# Altium PCB compare for.PcbDoc
Units mil, origin at the board's own origin, x right, y up, seen from the top; angles counter-clockwise.
Board outline 6000 x 4000 mil, 4 copper layers (Top Layer, Mid-Layer 1, Mid-Layer 2, Bottom Layer); 47 components, 0 nets, 127 pads, 91 vias.
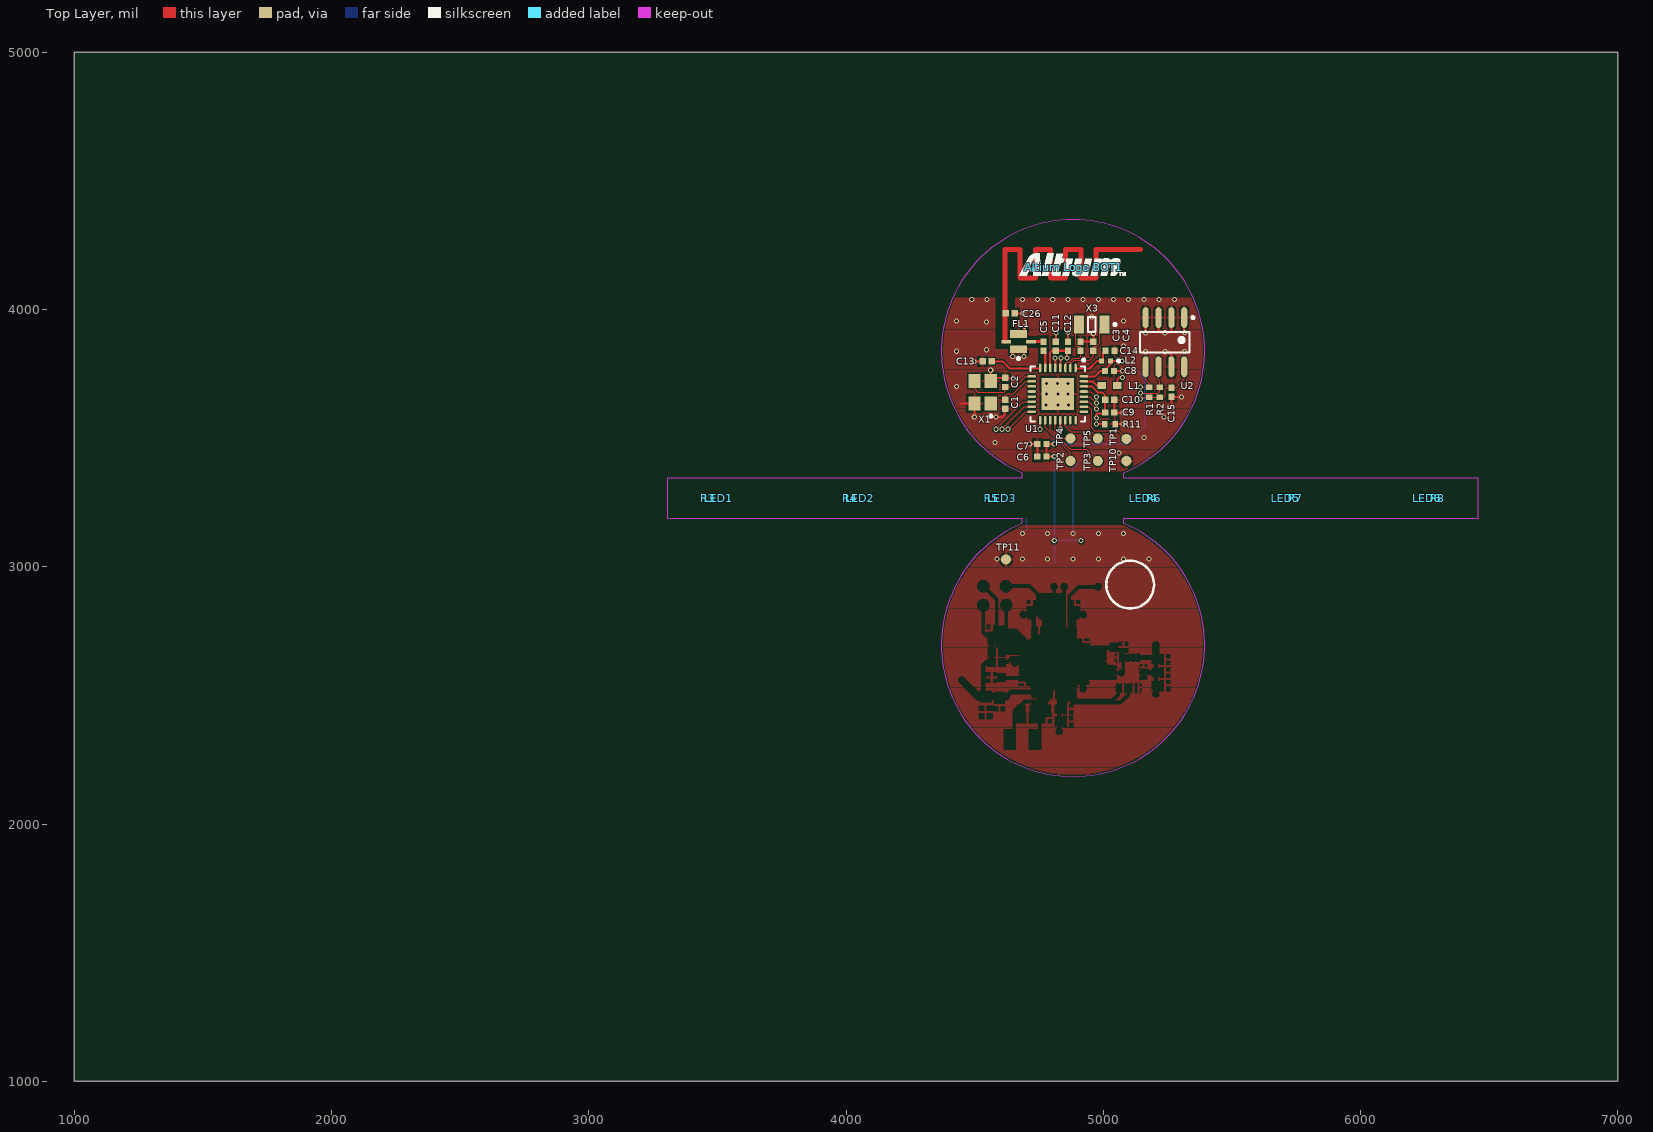
[diagram p0: Top Layer view]
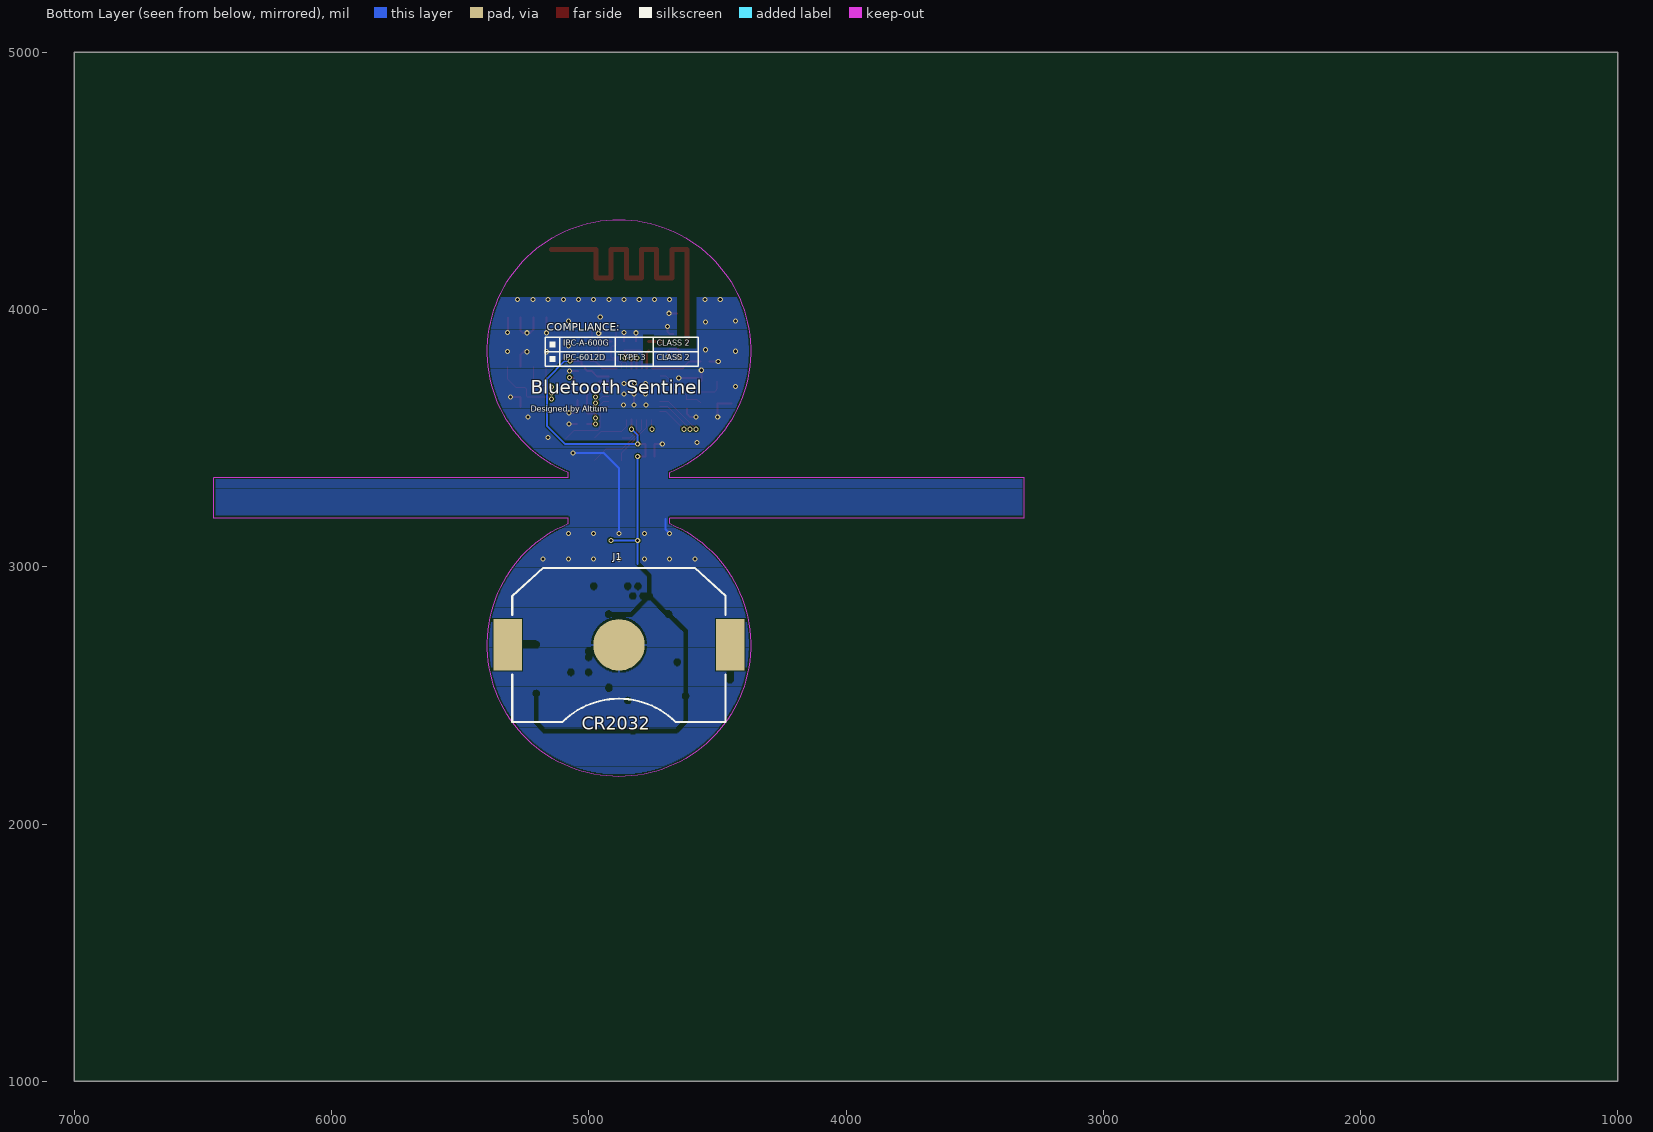
[diagram p1: Bottom Layer view, seen from below]
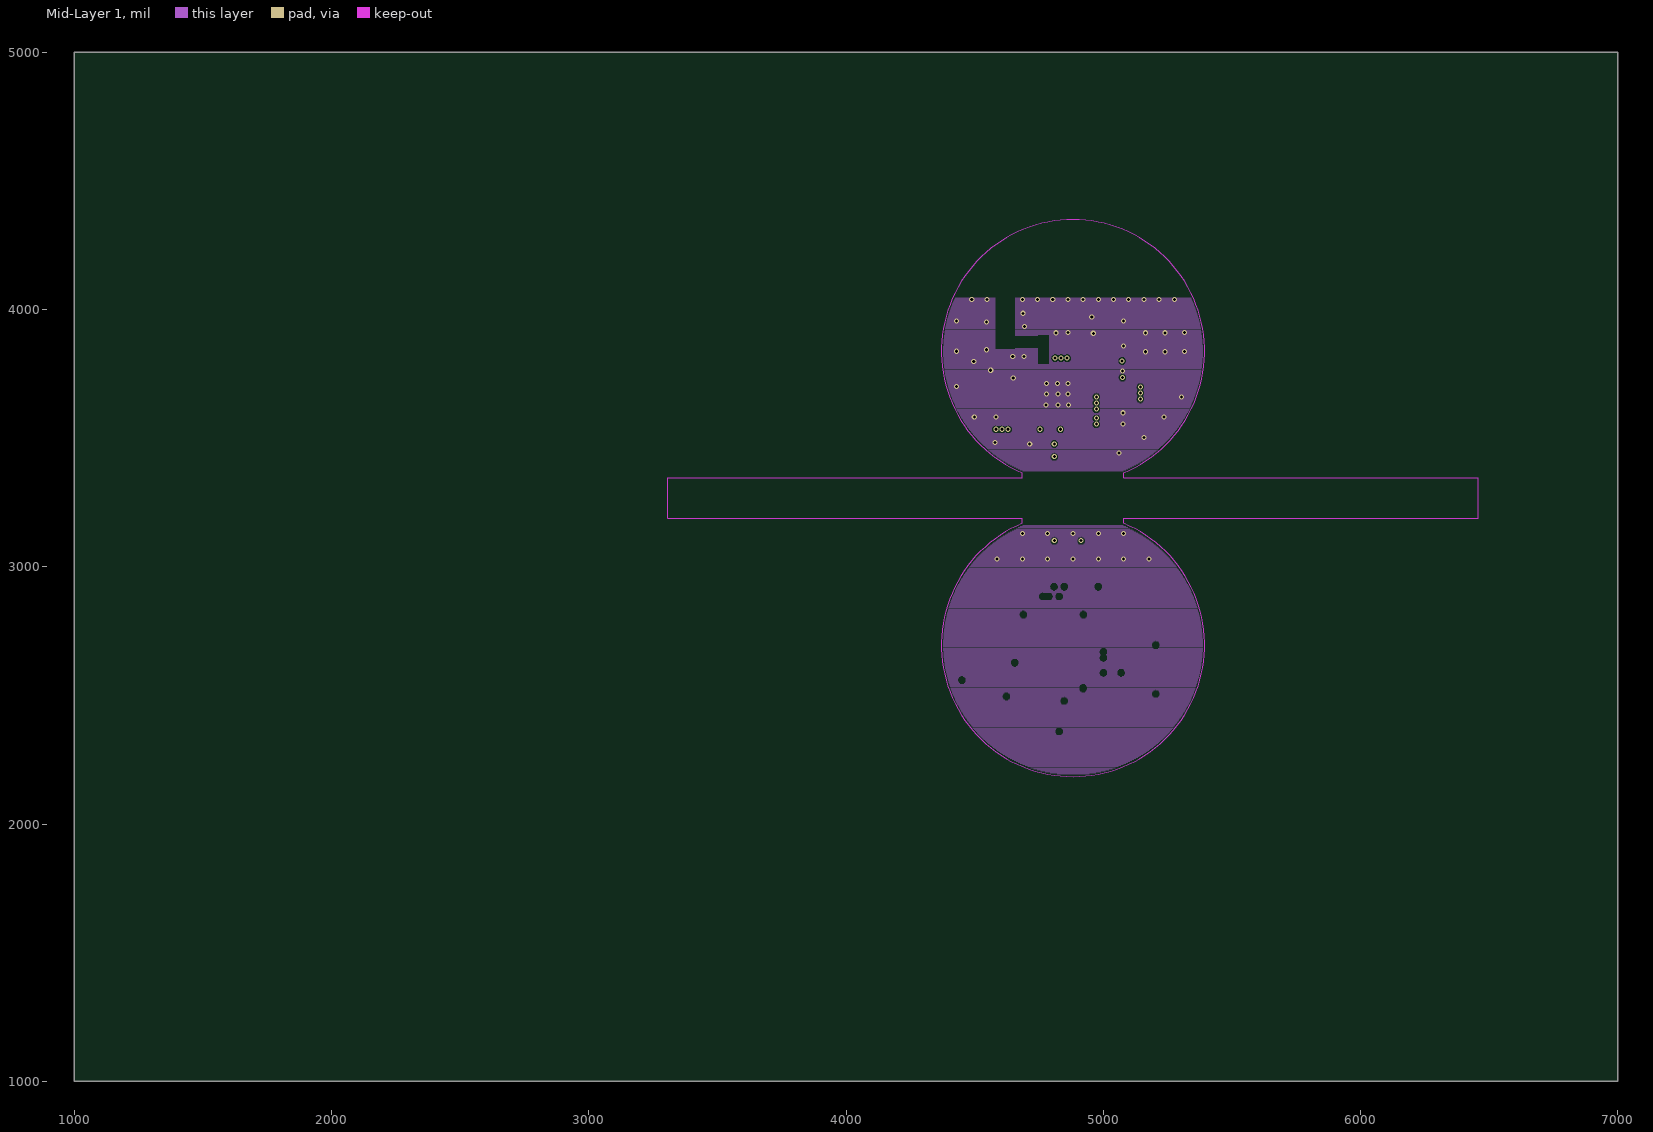
[diagram p2: Mid-Layer 1]
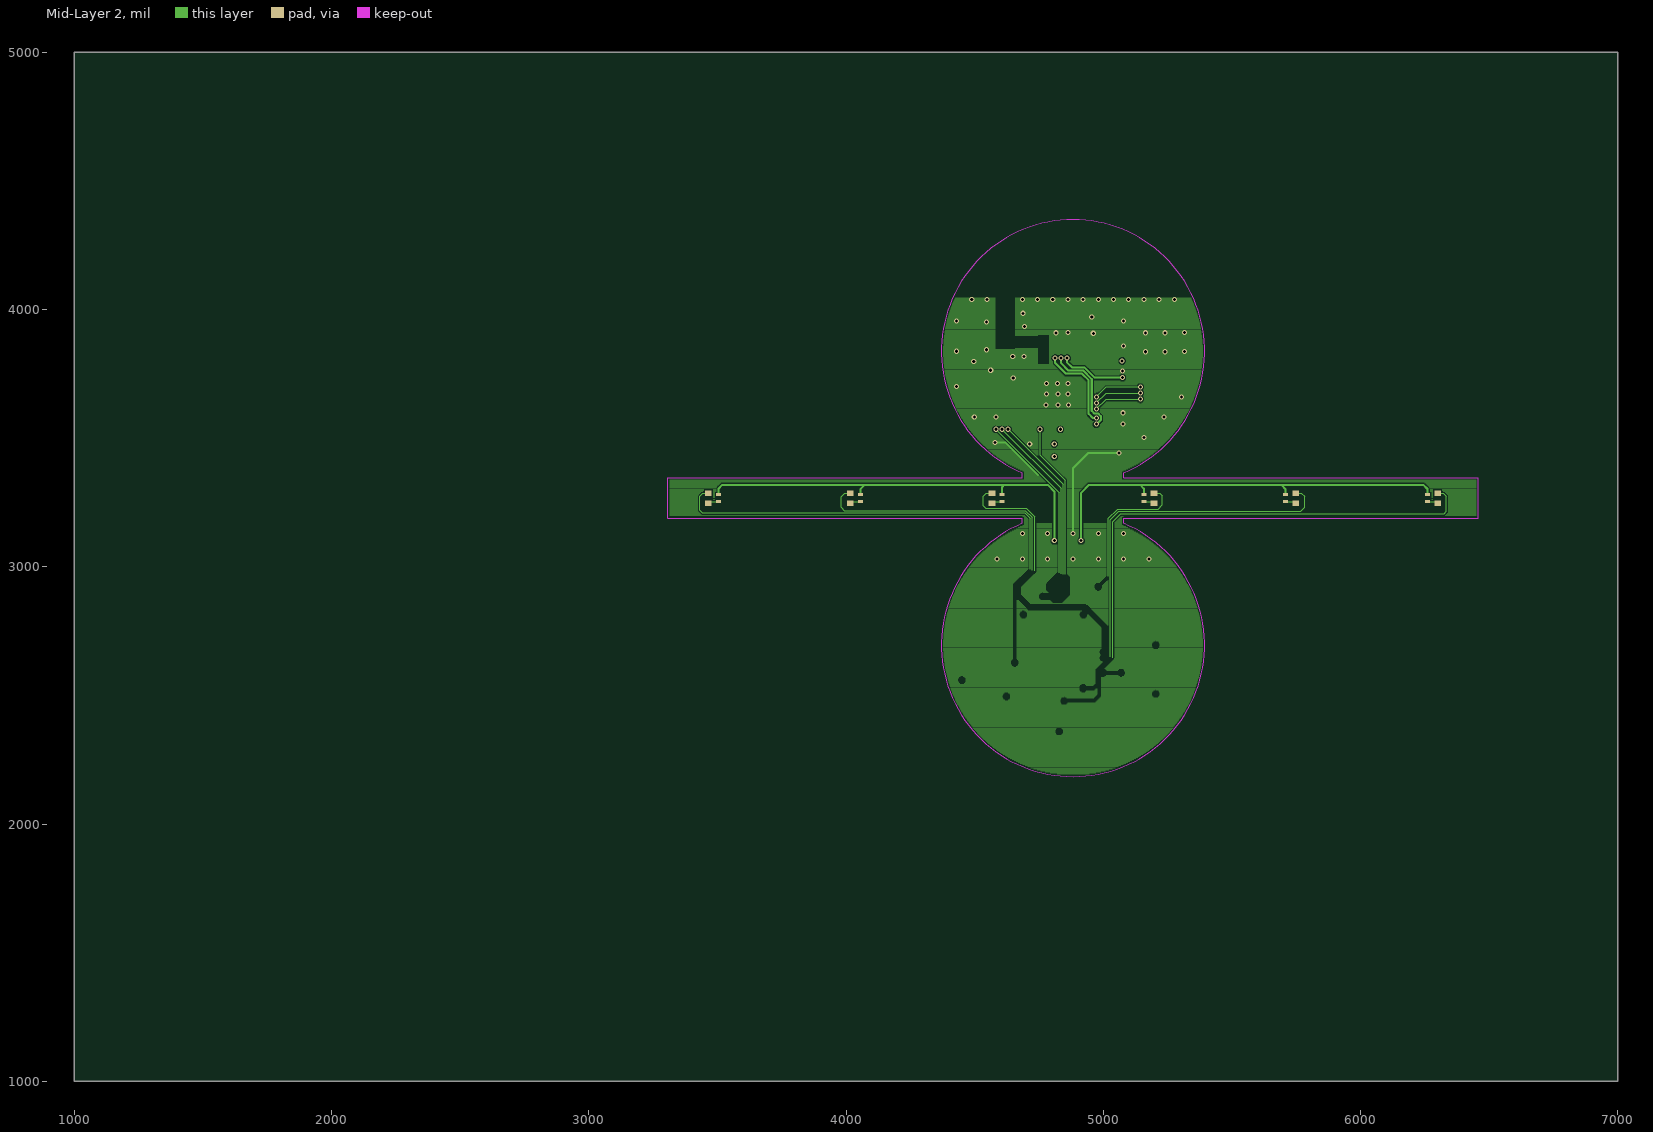
[diagram p3: Mid-Layer 2]

## Layer stack, top to bottom
Top Solder: solder mask 0.4, Solder Resist, Dk 3.5
Top Layer: signal copper 1.4
Dielectric 1: dielectric 12.6, FR-4, Dk 4.8
Mid-Layer 1: signal copper 1.4
Dielectric3: dielectric 12.6, FR-4, Dk 4.8
Mid-Layer 2: signal copper 1.4
Dielectric2: dielectric 12.6, FR-4, Dk 4.8
Bottom Layer: signal copper 1.4
Bottom Solder: solder mask 0.4, Solder Resist, Dk 3.5

## Board outline
1000,1000 7000,1000 7000,5000 1000,5000

## Design rules (kind name [scope] priority, off if disabled: settings)
Clearance [All] p1: gap=10 ignorepadtopadclearanceinfootprint=FALSE except(0: Arc-Hole Track-Hole SMDPad-Hole THPad-Hole Via-Hole Fill-Hole Poly-Hole Region-Hole Text-Hole)
PolygonConnect [All] p1: connectstyle=Relief reliefconductorwidth=10 reliefentries=4 polygonreliefangle="90 Angle" airgapwidth=10
RoutingVias [All] p1: holewidth=28 width=50 viastyle="Through Hole" minholewidth=28 minwidth=50 maxholewidth=28 maxwidth=50
SolderMaskExpansion [All] p1: expansion=4
Width [All] p1: maxlimit=10 minlimit=10 preferedwidth=10
30 further rules are at their usual default settings.

## Components (designator, comment, footprint, x,y, rotation, side; value= is the part's Value field where it differs from the comment)
"Altium Logo BOT1" "Altium(2009)" LOGO-ALTIUM-NEW 4884.49,4164.57 r0 top
C1 "CAP 20pF 10V 0402(1005)" CAPC0402(1005)60_N 4618.74,3632.09 r270 top
C2 "CAP 20pF 10V 0402(1005)" CAPC0402(1005)60_N 4618.74,3716.73 r90 top
C3 "CAP 24pF 10V 0402(1005)" CAPC0402(1005)60_N 4912.05,3857.48 r270 top
C4 "CAP 24pF 10V 0402(1005)" CAPC0402(1005)60_N 4961.26,3857.48 r270 top
C5 "CAP 22pF 16V 0402(1005)" CAPC0402(1005)60_N 4767.36,3857.48 r90 top (schematic designator C14)
C6 "CAP 2.2uF 6.3V 0402(1005)" CAPC0402(1005)60_N 4761.46,3428.35 r0 top (schematic designator C5)
C7 "CAP 100nF 6.3V 0402(1005)" CAPC0402(1005)60_N 4761.46,3477.56 r0 top (schematic designator C6)
C8 "CAP 100nF 6.3V 0402(1005)" CAPC0402(1005)60_N 5024.26,3761.03 r180 top (schematic designator C7)
C9 "CAP 470nF 6.3V 0402(1005)" CAPC0402(1005)60_N 5025.24,3599.61 r180 top (schematic designator C8)
C10 "CAP 100nF 6.3V 0402(1005)" CAPC0402(1005)60_N 5025.24,3648.82 r180 top (schematic designator C9)
C11 "CAP 2.2uF 6.3V 0402(1005)" CAPC0402(1005)60_N 4815.59,3857.48 r270 top (schematic designator C10)
C12 "CAP 470nF 6.3V 0402(1005)" CAPC0402(1005)60_N 4862.83,3857.48 r270 top (schematic designator C11)
C13 "CAP 470nF 6.3V 0402(1005)" CAPC0402(1005)60_N 4548.86,3798.43 r0 top (schematic designator C12)
C14 "CAP 33pF 10V 0402(1005)" CAPC0402(1005)60_N 5026.22,3839.76 r180 top (schematic designator C13)
C15 "CAP 1uF 6.3V 0402(1005)" CAPC0402(1005)60_N 5265.39,3678.35 r90 top (schematic designator C22)
C26 "CAP 1.5pF 10V 0402(1005)" CAPC0402(1005)60_N 4638.43,3985.43 r180 top
FL1 "LFB212G45SG8A143" MUR-LFB212G45SG8A143-4 4670.91,3875.2 r180 top
J1 "BK-912-TR" MPD-CN-DIN-3_V 4882.52,2696.06 r180 bottom
L1 "7447966" SMD-0603 5024.26,3704.92 r0 top
L2 "MMZ1005Y152CT" TDK-CHIP-2_V 5010.48,3800.4 r180 top
LED1 "LNJ247W82RA" PNSC-CHIP-2_V 3504.57,3266.93 r90 top
LED2 "LNJ247W82RA" PNSC-CHIP-2_V 4055.75,3266.93 r90 top (schematic designator LED1)
LED3 "LNJ247W82RA" PNSC-CHIP-2_V 4606.93,3266.93 r90 top (schematic designator LED1)
LED4 "LNJ247W82RA" PNSC-CHIP-2_V 5158.11,3266.93 r90 top (schematic designator LED1)
LED5 "LNJ247W82RA" PNSC-CHIP-2_V 5709.29,3266.93 r90 top (schematic designator LED1)
LED6 "LNJ247W82RA" PNSC-CHIP-2_V 6260.47,3266.93 r90 top (schematic designator LED1)
R1 "4K7 5% 0402(1005)" RESC0402(1005)_N#1 5178.78,3678.35 r270 top (schematic designator R9)
R2 "4K7 5% 0402(1005)" RESC0402(1005)_N#1 5220.12,3678.35 r270 top (schematic designator R10)
R3 "200R 5% 0402(1005)" RESC0402(1005)_N#2 3465.2,3266.93 r270 top (schematic designator R1)
R4 "200R 5% 0402(1005)" RESC0402(1005)_N#2 4016.38,3266.93 r270 top (schematic designator R1)
R5 "200R 5% 0402(1005)" RESC0402(1005)_N#2 4567.56,3266.93 r270 top (schematic designator R1)
R6 "200R 5% 0402(1005)" RESC0402(1005)_N#2 5197.48,3266.93 r270 top (schematic designator R1)
R7 "200R 5% 0402(1005)" RESC0402(1005)_N#2 5748.66,3266.93 r270 top (schematic designator R1)
R8 "200R 5% 0402(1005)" RESC0402(1005)_N#2 6299.84,3266.93 r270 top (schematic designator R1)
R11 "Jumper 0402(1005)" RESC0402(1005)_N#1 5026.22,3554.33 r0 top (schematic designator R16)
TP1 "TP-SM-C-100" TP-SM-C-100 5090.2,3497.24 r90 top (schematic designator TP5)
TP2 "TP-SM-C-100" TP-SM-C-100 4872.68,3411.61 r90 top (schematic designator TP6)
TP3 "TP-SM-C-100" TP-SM-C-100 4978.98,3411.61 r90 top (schematic designator TP7)
TP4 "TP-SM-C-100" TP-SM-C-100 4872.68,3499.21 r90 top (schematic designator TP8)
TP5 "TP-SM-C-100" TP-SM-C-100 4978.98,3499.21 r90 top (schematic designator TP9)
TP10 "TP-SM-C-100" TP-SM-C-100 5090.2,3411.61 r90 top
TP11 "TP-SM-C-100" TP-SM-C-100 4621.69,3028.74 r90 top
U1 "CSR1010A05-IQQM-R" CSR-CSR1010A05-IQQM-R-QFN32_M 4823.46,3671.46 r270 top (schematic designator U4)
U2 "24AA512-I/SN" MCHP-SOIC-SN8_N 5239.8,3873.23 r270 top (schematic designator U3)
X1 "21C00047-16.000MHz" ITTI-21C00047-16.000MHz-4_V 4531.14,3678.35 r90 top
X3 "14340272-32.768KHz" ITTI-14340272-32.768KHz-2_V 4955.35,3942.13 r180 top (schematic designator X2)

## Footprints (in the part's own frame and the unit in brackets; to place one, negate y for a bottom-side part, rotate by r counter-clockwise, add the part's x,y. Pads: shape width x height; smd on the part's side, far side on the other; paste and mask are expansions set on the pad)
CAPC0402(1005)60_N [mm] "Chip Capacitor, Body 1.0x0.5mm, Height 0.6mm, IPC Medium Density"
  rect 0.62x0.62 smd: 1(-0.45,0) 2(0.45,0)
  body extent -0.55,-0.3 0.55,0.3, height 0.6
CSR-CSR1010A05-IQQM-R-QFN32_M [mm] "QFN, 32-Leads, Body 5.1x5.1mm, Pitch 0.5mm, Thermal Pad 3.2x3.2mm, IPC Low Density"
  oval 0.85x0.25 smd: 1(-2.575,1.75) 2(-2.575,1.25) 3(-2.575,0.75) 4(-2.575,0.25) 5(-2.575,-0.25) 6(-2.575,-0.75) 7(-2.575,-1.25) 8(-2.575,-1.75) 17(2.575,-1.75) 18(2.575,-1.25) 19(2.575,-0.75) 20(2.575,-0.25) 21(2.575,0.25) 22(2.575,0.75) 23(2.575,1.25) 24(2.575,1.75)
  oval 0.25x0.85 smd: 9(-1.75,-2.575) 10(-1.25,-2.575) 11(-0.75,-2.575) 12(-0.25,-2.575) 13(0.25,-2.575) 14(0.75,-2.575) 15(1.25,-2.575) 16(1.75,-2.575) 25(1.75,2.575) 26(1.25,2.575) 27(0.75,2.575) 28(0.25,2.575) 29(-0.25,2.575) 30(-0.75,2.575) 31(-1.25,2.575) 32(-1.75,2.575)
  rect 3.2x3.2 smd: 33(0,0)
  silkscreen extent -3.47,-2.7 2.7,2.7, body extent -2.55,-2.55 2.55,2.55, height 0.6
ITTI-21C00047-16.000MHz-4_V [mm] "Hand Drawn, 4-Leads, Body 3.2x2.5 mm"
  rect 1.4x1.2 smd: 1(-1.1,-0.8) 2(1.1,-0.8) 3(1.1,0.8) 4(-1.1,0.8)
  silkscreen extent -2.47,-0.93 -2.23,-0.68, body extent -1.6,-1.25 1.6,1.25, height 0.9
ITTI-14340272-32.768KHz-2_V [mm] "Hand Drawn, 2-Leads, Body 3.2x1.5mm, Pitch 2.5mm"
  rect 1x1.8 smd: 1(-1.25,0) 2(1.25,0)
  silkscreen extent -2.43,-0.75 0.35,0.75, body extent -1.6,-0.75 1.6,0.75, height 0.9
LOGO-ALTIUM-NEW [mil]
  silkscreen extent -211,-34 202,54
MCHP-SOIC-SN8_N [mm] "SOIC, 8-Leads, Body 4.9x3.9mm, Pitch 1.27mm, IPC Medium Density"
  oval 2.05x0.6 smd: 1(-2.425,1.905) 2(-2.425,0.635) 3(-2.425,-0.635) 4(-2.425,-1.905) 5(2.425,-1.905) 6(2.425,-0.635) 7(2.425,0.635) 8(2.425,1.905)
  silkscreen extent -2.55,-2.45 1,2.88, body extent -1.95,-2.45 1.95,2.45, height 1.75
MPD-CN-DIN-3_V [mil] "CN-DIN, 3-Leads, Body 21.08x15.24mm"
  rect 109.84x200 smd: 1(-432.48,0.02) 2(432.48,0.02)
  round 200 smd: 3(0,0.02)
  silkscreen extent -415,-300 415,300, body extent -415,-394 416,394, height 161
MUR-LFB212G45SG8A143-4 [mm] "Hand Drawn, 4-Leads, Body 2x1.25mm"
  rect 1.65x0.75 smd: 1(0,0.75) 3(0,-0.75)
  rect 0.95x0.35 smd: 2(1.225,0) 4(-1.225,0)
  silkscreen extent -0.13,1.55 0.12,1.8, body extent -1,-0.63 1,0.63, height 0.95
PNSC-CHIP-2_V [mm] "CHIP, 2-Leads, Body 1x0.5mm, Pitch 0.7mm"
  rect 0.3x0.5 on Mid2: 1(0.35,0) 2(-0.35,0)
  body extent -0.5,-0.25 0.5,0.25, height 0.25
RESC0402(1005)_N#1 [mm] "Chip Resistor, Body 1.0x0.5mm, IPC Medium Density"
  rect 0.55x0.65 smd: 1(-0.5,0) 2(0.5,0)
  body extent -0.52,-0.27 0.53,0.28, height 0.4
RESC0402(1005)_N#2 [mm] "Chip Resistor, Body 1.0x0.5mm, IPC Medium Density"
  rect 0.55x0.65 on Mid2: 1(-0.5,0) 2(0.5,0)
  body extent -0.52,-0.27 0.53,0.28, height 0.4
SMD-0603 [mm] "Chip Inductor, 2-Leads, Body 1.6x0.8mm"
  rect 0.85x0.7 smd: 1(-0.775,0) 2(0.775,0)
  body extent -0.8,-0.4 0.8,0.4, height 0.79
TDK-CHIP-2_V [mm] "CHIP, 2-Leads, Body 1x0.5mm, Pitch 0.9mm"
  rect 0.5x0.5 smd: 1(-0.45,0) 2(0.45,0)
  silkscreen extent -1.38,-0.12 -1.13,0.12, body extent -0.5,-0.25 0.5,0.25, height 0.5
TP-SM-C-100 [mm] "Test Point, Surface Mounting, Circular, Pad Diameter 1mm"
  round 1 smd: 1(0,0)

## Part data
"Altium Logo BOT1": library part CMP-9999-00125-1, "Alitum Logo"
C1 C2: library part CMP-1034-00871-1, "CAP 20pF 10V ±0.25pF 0402 (1005 Metric) Thickness 0.6mm SMD"
C3 C4: library part CMP-1034-00923-1, "CAP 24pF 10V ±0.25pF 0402 (1005 Metric) Thickness 0.6mm SMD"
C5: library part CMP-1034-00899-1, "CAP 22pF 16V ±0.25pF 0402 (1005 Metric) Thickness 0.6mm SMD"
C6 C11: library part CMP-1034-02125-1, "CAP 2.2uF 6.3V ±10% 0402 (1005 Metric) Thickness 0.6mm SMD"
C7 C8 C10: library part CMP-1034-02060-1, "CAP 100nF 6.3V ±5% 0402 (1005 Metric) Thickness 0.6mm SMD"
C9 C12 C13: library part CMP-1034-02103-1, "CAP 470nF 6.3V ±10% 0402 (1005 Metric) Thickness 0.6mm SMD"
C14: library part CMP-1034-00985-1, "CAP 33pF 10V ±0.5pF 0402 (1005 Metric) Thickness 0.6mm SMD"
C15: library part CMP-1034-02113-1, "CAP 1uF 6.3V ±10% 0402 (1005 Metric) Thickness 0.6mm SMD"
C26: library part CMP-1034-00102-1, "CAP 1.5pF 10V ±0.1pF 0402 (1005 Metric) Thickness 0.6mm SMD"
FL1: library part CMP-0453-00001-1, "LFB21(0805)_SG Series Filter for Wireless LAN/Bluetooth, 2400-2500 MHz, 2 x 1.25 x 0.95 mm"
J1: library part CMP-0452-00001-2, "Coin Cell Holder, 21.08 x 15.24 mm SMD"
L1: library part CMP-0221-00043-1, "SMD-Multilayer Inductor WE-MI, L = 4.70 µH"
L2: library part CMP-0457-00001-1, "Chip Bead for Signal Line, 1500 ohm at 100 MHz, -55 to 125 degC, 1.0 x 1.0 x 0.5 mm SMD"
LED1 LED2 LED3 LED4 LED5 LED6: library part CMP-0456-00001-1, "Hight Bright Surface Mounting Chip LED (Red), 55 mW, -30 to 85 degC, 1.0 x 0.5 x 0.2 mm SMD"
R1 R2: library part CMP-1011-00090-1, "4K7 0.063W 5% 0402 (1005 Metric)  SMD"
R3 R4 R5 R6 R7 R8: library part CMP-1011-00057-1, "200R 0.063W 5% 0402 (1005 Metric)  SMD"
R11: library part CMP-1011-00001-1, "Jumper 0402 (1005 Metric)"
TP1 TP2 TP3 TP4 TP5 TP10 TP11: library part CMP-0484-00002-1, "Test Point, Surface Mount, Circular, Pad Diameter 1 mm"
U1: library part CMP-0450-00001-1, "Bluetooth Low Energy Single-mode IC, 64 KB RAM and 64 KB ROM, -30 to 85 degC, 32-pin QFN"
U2: library part CMP-0159-01018-1, "512K bits I2C™ Serial EEPROM, 1.7 to 5.5 V, 400 kHz, -40 to 85 degC, 8-pin SOIC (SN8), Tube"
X1: library part CMP-0464-00001-1, "Crystal, 16 MHz, -30 to 85 degC, 3.2 x 2.5 x 0.9 mm SMD"
X3: library part CMP-0463-00001-1, "Crystal, 32.768 KHz, -40 to 85 degC, 3.2 x 1.5 x 0.9 mm SMD"

## Via types
v1: diameter 19.68, hole 11.81, Top Layer to Bottom Layer, tented both sides, 91 vias

## Nets (pads, with @x,y where several pads share a name; then routed paths per layer and width w, separated by ;. In a path a pad name is that pad's centre, name@x,y a point inside that pad or via, vN(x,y) a via of type N, cw(c..) or ccw(c..) an arc to the next point about the centre after c; other vN are vias at no path point)
pads on no net: C1.1 C1.2 C2.1 C2.2 C3.1 C3.2 C4.1 C4.2 C5.1 C5.2 C6.1 C6.2 C7.1 C7.2 C8.1 C8.2 C9.1 C9.2 C10.1 C10.2 C11.1 C11.2 C12.1 C12.2 C13.1 C13.2 C14.1 C14.2 C15.1 C15.2 C26.1 C26.2 FL1.1 FL1.2 FL1.3 FL1.4 J1.1 J1.2 J1.3 L1.1 L1.2 L2.1 L2.2 LED1.1 LED1.2 LED2.1 LED2.2 LED3.1 LED3.2 LED4.1 LED4.2 LED5.1 LED5.2 LED6.1 LED6.2 R1.1 R1.2 R2.1 R2.2 R3.1 R3.2 R4.1 R4.2 R5.1 R5.2 R6.1 R6.2 R7.1 R7.2 R8.1 R8.2 R11.1 R11.2 TP1.1 TP2.1 TP3.1 TP4.1 TP5.1 TP10.1 TP11.1 U1.1 U1.2 U1.3 U1.4 U1.5 U1.6 U1.7 U1.8 U1.9 U1.10 U1.11 U1.12 U1.13 U1.14 U1.15 U1.16 U1.17 U1.18 U1.19 U1.20 U1.21 U1.22 U1.23 U1.24 U1.25 U1.26 U1.27 U1.28 U1.29 U1.30 U1.31 U1.32 U1.33 U2.1 U2.2 U2.3 U2.4 U2.5 U2.6 U2.7 U2.8 X1.1 X1.2 X1.3 X1.4 X3.1 X3.2
copper on no net: | length 24765.5
  Top Layer w3.94: 4499.65,3721.65 4499.65,3692.13 4512.44,3679.33 4614.8,3679.33 4618.74,3683.27 4618.74,3699.02 4657.13,3699.02 4698.46,3740.35 4724.06,3740.35 ; 4562.64,3635.04 4577.4,3649.8 4618.74,3649.8 4618.74,3664.57 4626.61,3672.44 4650.24,3672.44 4698.46,3720.67 4724.06,3720.67 ; v1(4582.32,3534.65) 4689.61,3641.93 4724.06,3641.93 ; v1(4605.94,3534.65) 4693.54,3622.24 4724.06,3622.24 ; v1(4630.55,3534.65) 4698.46,3602.56 4724.06,3602.56 ; v1(4754.57,3534.65) 4754.57,3572.05 ; 4774.25,3572.05 4774.25,3541.54 4872.68,3443.11 4872.68,3411.61 ; 4793.94,3572.05 4793.94,3534.34 4871.38,3456.89 4933.7,3456.89 4978.98,3411.61 ; 4813.62,3572.05 4813.62,3525.79 4840.2,3499.21 4872.68,3499.21 ; 4852.99,3572.05 4852.99,3546.46 4874.65,3524.8 4953.39,3524.8 4978.98,3499.21 ; 4852.99,3770.87 4852.99,3789.57 4858.9,3795.47 4867.45,3795.47 4883.2,3811.22 4906.14,3811.22 4912.05,3817.13 4912.05,3839.76 4912.05,3853.54 4908.5,3857.09 4897.4,3857.09 4893.94,3860.55 4893.94,3929.92 4906.14,3942.13 ; 4872.68,3770.87 4872.68,3789.57 4886.46,3803.35 4947.48,3803.35 4961.26,3817.13 4961.26,3839.76 4961.26,3853.54 4964.8,3857.09 4975.91,3857.09 4986.85,3868.03 4986.85,3924.41 5004.57,3942.13 ; 4922.87,3622.24 4941.95,3622.24 4954.75,3609.45 4954.75,3540.17 4965.2,3529.72 5057.72,3529.72 5090.2,3497.24 ; 4922.87,3641.93 4944.54,3641.93 v1(4973.08,3613.39) ; 4922.87,3661.61 4948.47,3661.61 v1(4973.08,3637.01) ; 4922.87,3681.3 4952.41,3681.3 v1(4973.08,3660.63) ; v1(5144.33,3651.77) 5151.22,3658.66 5178.78,3658.66 5220.12,3658.66 5236.85,3658.66 5241.77,3663.58 5241.77,3690.16 5247.68,3696.06 5265.39,3696.06 5282.13,3696.06 5314.8,3728.74 5314.8,3777.76 ; v1(5144.33,3675.39) 5212.24,3675.39 5220.12,3683.27 5220.12,3698.03 5220.12,3722.64 5214.8,3727.95 5214.8,3777.76 ; v1(5144.33,3699.02) 5178.78,3699.02 5178.78,3713.78 5164.8,3727.76 5164.8,3777.76
  Top Layer w7.87: 4445.51,3635.04 4499.65,3635.04 4498.66,3634.06 v1(4498.66,3581.89) ; v1(4496.69,3798.43) 4531.14,3798.43 ; v1(4562.64,3763.98) 4562.64,3721.65 4575.43,3734.45 4618.74,3734.45 v1(4650.24,3734.45) ; 4566.57,3798.43 4608.9,3798.43 4636.46,3770.87 4754.57,3770.87 ; v1(4582.32,3581.89) 4604.96,3581.89 4618.74,3595.67 4618.74,3614.37 ; v1(4648.27,3817.13) 4648.27,3840.75 4653.19,3845.67 4670.91,3845.67 4685.67,3845.67 4691.57,3839.76 v1(4691.57,3817.13) ; 4656.14,3985.43 v1(4688.62,3985.43) ; 4670.91,3904.72 4684.69,3904.72 4693.54,3913.58 v1(4693.54,3934.25) ; v1(4714.21,3477.56) 4743.74,3477.56 4743.74,3428.35 ; 4793.94,3770.87 4793.94,3833.86 4799.84,3839.76 4815.59,3839.76 4862.83,3839.76 4859.88,3836.81 v1(4859.88,3811.22) ; v1(4809.69,3428.35) 4779.17,3428.35 4779.17,3477.56 v1(4809.69,3477.56) ; v1(4812.64,3811.22) 4813.62,3810.24 4813.62,3770.87 ; 4815.59,3875.2 v1(4815.59,3909.65) ; v1(4823.46,3628.15) v1(4823.46,3671.46) ; v1(4833.31,3534.65) 4833.31,3572.05 ; 4833.31,3770.87 4833.31,3808.27 v1(4836.26,3811.22) ; 4862.83,3875.2 v1(4862.83,3910.63) ; 4892.36,3770.87 4946.5,3770.87 4976.03,3800.4 4992.76,3800.4 4999.65,3807.28 4999.65,3830.91 5008.5,3839.76 ; 4912.05,3875.2 4961.26,3875.2 v1(4961.26,3907.68) ; 4922.87,3700.98 4955.36,3700.98 4978,3678.35 4995.72,3678.35 5007.53,3666.54 5007.53,3648.82 5007.53,3599.61 5003.59,3595.67 4977.01,3595.67 4972.09,3590.75 v1@4972.09,3578.94 ; 4922.87,3720.67 4958.32,3720.67 4974.06,3704.92 4993.75,3704.92 ; 4922.87,3740.35 4968.15,3740.35 4988.82,3761.03 5006.54,3761.03 5014.41,3768.89 5014.41,3773.82 5028.19,3787.6 5028.19,3800.4 v1(5073.46,3800.39) ; v1(4973.07,3554.33) 5006.54,3554.33 ; 5041.98,3761.02 v1(5074.45,3761.02) ; 5042.96,3648.82 5042.96,3599.61 5043.95,3598.62 v1(5076.42,3598.62) ; 5045.91,3554.33 v1(5076.42,3554.33) ; 5054.77,3704.92 5054.77,3729.54 5061.65,3736.42 v1(5074.45,3736.42) ; 5164.8,3968.7 5165,3968.5 v1(5165,3909.65) ; 5214.8,3968.7 5214.8,3921.85 5227.01,3909.65 v1(5240.79,3909.65) 5257.32,3909.65 5264.8,3917.13 5264.8,3968.7 ; v1(5239.8,3835.83) 5253.58,3835.83 5264.8,3824.61 5264.8,3777.76 ; 5265.39,3621.26 5265.39,3660.63 v1(5303.78,3660.63) ; 5314.8,3968.7 5314.8,3911.42 v1(5315.59,3910.63)
  Top Layer w9.84: 4767.36,3839.76 4774.25,3832.87 4774.25,3770.87
  Top Layer w11.81: 4719.13,3875.2 4767.36,3875.2
  Top Layer w19.68: 4617.76,3875.2 4617.76,3967.72 4617.76,3998.23 4617.76,4233.46 4676.81,4233.46 4676.81,4123.23 4735.87,4123.23 4735.87,4233.46 4794.92,4233.46 4794.92,4123.23 4853.98,4123.23 4853.98,4233.46 4913.03,4233.46 4913.03,4123.23 4972.09,4123.23 4972.09,4233.46 5145.31,4233.46
  Mid-Layer 2 w3.94: 3465.2,3247.24 3471.1,3253.15 3504.57,3253.15 ; 3465.2,3286.61 3443.54,3286.61 3431.73,3274.8 3431.73,3219.68 3440.59,3210.83 4694.53,3210.83 4716.18,3189.17 4716.18,2990.35 ; 4016.38,3246.26 4023.27,3253.15 4055.75,3253.15 ; 4016.38,3286.61 3994.72,3286.61 3980.94,3272.83 3980.94,3230.51 3992.76,3218.7 4697.79,3218.7 4724.06,3192.43 4724.06,2987.09 ; 4567.56,3247.24 4573.46,3253.15 4606.93,3253.15 ; 4567.56,3286.61 4545.91,3286.61 4534.09,3274.8 4534.09,3236.42 4543.94,3226.57 4701.42,3226.57 4732.91,3195.08 4732.91,2984.82 ; v1(4582.32,3534.65) 4828.39,3288.58 4828.39,2976.52 ; v1(4605.94,3534.65) 4836.26,3304.33 4836.26,2973.26 ; v1(4630.55,3534.65) 4844.13,3321.06 4844.13,2969.99 ; v1(4754.57,3534.65) 4754.57,3433.27 4852.01,3335.83 4852.01,2970.67 ; v1(4973.08,3613.39) 5011.46,3651.77 v1(5144.33,3651.77) ; v1(4973.08,3637.01) 5011.46,3675.39 v1(5144.33,3675.39) ; v1(4973.08,3660.63) 5011.46,3699.02 v1(5144.33,3699.02) ; 5020.31,2962.8 5020.31,3188.19 5055.75,3223.62 5213.23,3223.62 5229.96,3240.35 5229.96,3275.79 5219.13,3286.61 5197.48,3286.61 ; 5028.19,2649.75 5028.19,3183.27 5060.67,3215.75 5768.35,3215.75 5783.11,3230.51 5783.11,3273.82 5770.32,3286.61 5748.66,3286.61 ; 5036.06,2646.48 5036.06,3175.39 5067.56,3206.89 6325.43,3206.89 6334.29,3215.75 6334.29,3273.82 6321.5,3286.61 6299.84,3286.61 ; 5158.11,3253.15 5191.57,3253.15 5197.48,3247.24 ; 5709.29,3253.15 5742.76,3253.15 5748.66,3247.24 ; 6260.47,3253.15 6293.94,3253.15 6299.84,3247.24
  Mid-Layer 2 w7.87: 3504.57,3280.71 3504.57,3304.33 3518.35,3318.11 4544.92,3318.11 4772.28,3318.11 4784.09,3318.11 4809.69,3292.52 v1(4809.69,3101.57) ; 4055.75,3280.71 4055.75,3301.38 4072.48,3318.11 ; v1(4579.37,3483.46) 4619.58,3483.46 4745.64,3357.41 ; 4606.93,3280.71 4606.93,3310.24 4614.8,3318.11 ; v1(4812.64,3811.22) 4812.64,3793.5 4854.96,3751.18 4916.97,3751.18 4943.54,3724.61 4943.54,3594.68 4960.28,3577.95 v1(4973.07,3577.95) ; v1(4836.26,3811.22) 4836.26,3791.54 4864.8,3762.99 4921.86,3762.99 4955.36,3729.49 4955.36,3606.05 4965.74,3595.67 4980.41,3595.67 4990.79,3585.29 4990.79,3570.61 4974.5,3554.33 v1(4973.07,3554.33) ; v1(4859.88,3811.22) 4859.88,3793.5 4878.58,3774.8 4926.75,3774.8 4965.14,3736.42 v1(5074.45,3736.42) ; v1(4882.52,3129.13) 4882.52,3383.07 4941.57,3442.13 v1(5060.67,3442.13) ; v1(4914.02,3101.57) 4914.02,3287.6 4944.53,3318.11 6244.72,3318.11 6260.47,3302.36 6260.47,3280.71 ; 5143.35,3318.11 5158.11,3303.35 5158.11,3280.71 ; 5691.57,3318.11 5709.29,3300.39 5709.29,3280.71
  Bottom Layer w7.87: v1(4685.67,3129.13) 4701.42,3144.88 4701.42,3186.22 ; 4809.69,3011.02 4809.69,3153.74 ; v1(4809.69,3428.35) 4809.69,3153.74 ; v1(4833.31,3534.65) 4809.69,3511.02 v1(4809.69,3477.56) 5093.15,3477.56 5162.05,3546.46 5162.05,3731.5 5093.15,3800.39 v1(5073.46,3800.39) ; v1(4882.52,3129.13) 4882.52,3383.07 4941.57,3442.13 v1(5060.67,3442.13) ; v1(4914.02,3101.57) v1(4809.69,3101.57) 4809.69,3153.74
  other v1: 4587.24,3030.71 4685.67,3030.71 4784.09,3030.71 4882.52,3030.71 4980.94,3030.71 5079.37,3030.71 5177.8,3030.71 4784.09,3129.13 4980.94,3129.13 5079.37,3129.13 5158.11,3503.15 5236.85,3581.89 4778.19,3628.15 4864.8,3628.15 4779.17,3671.46 4863.82,3671.46 4429.76,3700 4822.48,3711.81 4862.83,3711.81 4779.17,3712.8 5165,3835.83 5315.59,3836.81 4429.76,3837.8 4546.89,3843.7 5079.37,3857.48 4545.91,3951.97 4429.76,3955.91 5079.37,3955.91 4955.35,3971.65 4488.82,4038.58 4547.87,4038.58 4685.67,4038.58 4744.72,4038.58 4803.78,4038.58 4862.83,4038.58 4921.89,4038.58 4980.94,4038.58 5040,4038.58 5099.06,4038.58 5158.11,4038.58 5217.17,4038.58 5276.22,4038.58

## Polygon pours and split planes (outlines as drawn)
no net on Top Layer "GND" (hatched Horizontal grid 3.94 track 3.94, remove dead copper, pour order 0): 4685.67,3168.5 ccw(c4882.52,2696.06) 5079.37,3168.5
no net on Top Layer "GND" (hatched Horizontal grid 3.94 track 3.94, remove dead copper, pour order 2): 4685.67,3365.35 cw(c4882.52,3837.8) 4416.05,4048.4 5348.99,4048.4 cw(c4882.52,3837.8) 5079.37,3365.35
no net on Mid-Layer 1 "GND" (hatched Horizontal grid 3.94 track 3.94, remove dead copper, pour order 4): 4685.67,3168.5 ccw(c4882.52,2696.06) 5079.37,3168.5
no net on Mid-Layer 1 "GND" (hatched Horizontal grid 3.94 track 3.94, remove dead copper, pour order 6): 4685.67,3365.35 cw(c4882.52,3837.8) 4416.05,4048.4 5348.99,4048.4 cw(c4882.52,3837.8) 5079.37,3365.35
no net on Mid-Layer 2 "GND" (hatched Horizontal grid 3.94 track 3.94, remove dead copper, pour order 8): 4685.67,3168.5 ccw(c4882.52,2696.06) 5079.37,3168.5
no net on Mid-Layer 2 "GND" (hatched Horizontal grid 3.94 track 3.94, remove dead copper, pour order 12): 3307.72,3345.67 4685.67,3345.67 4685.67,3365.35 5079.37,3365.35 5079.37,3345.67 6457.32,3345.67 6457.32,3188.19 5079.37,3188.19 5079.37,3168.5 4685.67,3168.5 4685.67,3168.51 4685.67,3188.19 3307.72,3188.19 3307.72,3345.67
no net on Mid-Layer 2 "GND" (hatched Horizontal grid 3.94 track 3.94, remove dead copper, pour order 10): 4685.67,3365.35 cw(c4882.52,3837.8) 4416.05,4048.4 5348.99,4048.4 cw(c4882.52,3837.8) 5079.37,3365.35
no net on Bottom Layer "GND" (hatched Horizontal grid 3.94 track 3.94, remove dead copper, pour order 14): 4685.67,3168.5 ccw(c4882.52,2696.06) 5079.37,3168.5
no net on Bottom Layer "GND" (hatched Horizontal grid 3.94 track 3.94, remove dead copper, pour order 18): 3307.72,3345.67 4685.67,3345.67 4685.67,3365.35 5079.37,3365.35 5079.37,3345.67 6457.32,3345.67 6457.32,3188.19 5079.37,3188.19 5079.37,3168.5 4685.67,3168.5 4685.67,3168.51 4685.67,3188.19 3307.72,3188.19 3307.72,3345.67
no net on Bottom Layer "GND" (hatched Horizontal grid 3.94 track 3.94, remove dead copper, pour order 16): 4685.67,3365.35 cw(c4882.52,3837.8) 4416.05,4048.4 5348.99,4048.4 cw(c4882.52,3837.8) 5079.37,3365.35

## Keep-outs
Keep-Out Layer:
  lines w3.94: 3307.72,3188.19 3307.72,3345.67 4685.67,3345.67 4685.67,3365.35 cw(c4882.52,3837.8) 5079.37,3365.35 5079.37,3345.67 6457.32,3345.67 6457.32,3188.19 5079.37,3188.19 5079.37,3168.5 cw(c4882.52,2696.06) 4685.67,3168.5 4685.67,3188.19 3307.72,3188.19

## Other copper
Top Layer:
  pour cut-out: 4875.63,3923.43 4875.63,3859.45 4802.8,3859.45 4802.8,3923.43
Multi-Layer:
  pour cut-out: 4579.37,4050.39 4658.11,4050.39 4658.11,3845.67 4579.37,3845.67
  pour cut-out: 4638.43,3852.56 4638.43,3896.85 4790,3896.85 4790,3852.56
  pour cut-out: 4790,3787.6 4744.72,3787.6 4744.72,3900.79 4790,3900.79

## Silkscreen, mask and mechanical layers (free items; w line width, h text height)
Top Overlay:
  circle w10: c5104.79,2930.65 r92.78
Bottom Overlay:
  region: 5152.8,3875.46 5129.8,3875.46 5129.8,3852.46 5152.8,3852.46
  region: 5152.8,3818.46 5129.8,3818.46 5129.8,3795.46 5152.8,3795.46
  lines w5: 4574.8,3836.46 5168.8,3836.46 ; 4574.8,3892.46 4574.8,3779.47 5168.8,3779.46 5168.8,3892.46 ; 4574.8,3893.03 5168.8,3893.03 ; 4749.8,3780.46 4749.8,3891.46 ; 4897.8,3779.46 4897.8,3892.46 ; 5112.2,3779.46 5112.2,3893.03
  text "COMPLIANCE:" at 5163.8,3907.46 h50
  text "CLASS 2" at 4735.8,3851.46 h40
  text "IPC-A-600G" at 5099.8,3851.46 h40
  text "CLASS 2" at 4735.8,3795.46 h40
  text "TYPE 3" at 4885.8,3795.46 h40
  text "IPC-6012D" at 5099.8,3795.46 h40
  text "Bluetooth Sentinel" at 5225.1,3655.24 h90
  text "Designed by Altium" at 5225.1,3595.24 h40
Mechanical 1:
  lines w10: 3996.69,3188.19 3996.69,3345.67 ; 5768.35,3188.19 5768.35,3345.67
Mechanical 13:
  lines w3.94: 3307.72,3188.19 4685.67,3188.19 4685.67,3168.5 ccw(c4882.52,2696.06) 5079.37,3168.5 5079.37,3188.19 6457.32,3188.19 6457.32,3345.67 5079.37,3345.67 5079.37,3365.35 ccw(c4882.52,3837.8) 4685.67,3365.35 4685.67,3345.67 3307.72,3345.67 3307.72,3188.19
Mechanical 16:
  drawing of 2241 lines, arcs and shapes, not listed
  text "1" at 2533.93,6899.25 h70
  text "2" at 5393.93,6899.25 h70
  text "3" at 8273.93,6899.25 h70
  text "4" at 11143.93,6899.25 h70
  text "A" at 1181.93,5993.25 h70
  text "A" at 12481.93,5993.25 h70
  text "Layer" at 7004.91,4340.75 h78.74
  text "Name" at 7451.42,4340.75 h78.74
  text "Material" at 8444.49,4340.75 h78.74
  text "Thickness" at 9303.36,4340.75 h78.74
  text "Constant" at 9971.42,4340.75 h78.74
  text "Rigid" at 10607.62,4340.75 h78.74
  text "Flex" at 11139.6,4340.75 h78.74
  text "Top Overlay" at 7451.42,4183.27 h78.74
  text "B" at 1181.93,4101.25 h70
  text "B" at 12481.93,4101.25 h70
  text "Top Solder" at 7451.42,4025.79 h78.74
  text "Solder Resist" at 8444.49,4025.79 h78.74
  text "0.010mm" at 9303.36,4025.79 h78.74
  text "3.5" at 9971.42,4025.79 h78.74
  text "1" at 7004.91,3868.31 h78.74
  text "Top Layer" at 7451.42,3868.31 h78.74
  text "Copper" at 8444.49,3868.31 h78.74
  text "0.036mm" at 9303.36,3868.31 h78.74
  text "Dielectric 1" at 7451.42,3710.83 h78.74
  text "FR-4" at 8444.49,3710.83 h78.74
  text "0.320mm" at 9303.36,3710.83 h78.74
  text "4.8" at 9971.42,3710.83 h78.74
  text "2" at 7004.91,3553.35 h78.74
  text "Mid-Layer 1" at 7451.42,3553.35 h78.74
  text "Copper" at 8444.49,3553.35 h78.74
  text "0.036mm" at 9303.36,3553.35 h78.74
  text "Dielectric 2" at 7451.42,3395.87 h78.74
  text "FR-4" at 8444.49,3395.87 h78.74
  text "0.320mm" at 9303.36,3395.87 h78.74
  text "4.8" at 9971.42,3395.87 h78.74
  text "3" at 7004.91,3238.39 h78.74
  text "Mid-Layer 2" at 7451.42,3238.39 h78.74
  text "Copper" at 8444.49,3238.39 h78.74
  text "0.036mm" at 9303.36,3238.39 h78.74
  text "Dielectric 3" at 7451.42,3080.91 h78.74
  text "Polyamide" at 8444.49,3080.91 h78.74
  text "0.012mm" at 9303.36,3080.91 h78.74
  text "4.8" at 9971.42,3080.91 h78.74
  text "4" at 7004.91,2923.43 h78.74
  text "Bottom Layer" at 7451.42,2923.43 h78.74
  text "Copper" at 8444.49,2923.43 h78.74
  text "0.036mm" at 9303.36,2923.43 h78.74
  text "Bottom Solder" at 7451.42,2765.94 h78.74
  text "Solder Resist" at 8444.49,2765.94 h78.74
  text "0.010mm" at 9303.36,2765.94 h78.74
  text "3.5" at 9971.42,2765.94 h78.74
  text "Bottom Overlay" at 7451.42,2608.46 h78.74
  text "C" at 1181.93,2191.25 h70
  text "C" at 12481.93,2191.25 h70
  text "ENGINEER:" at 7956.93,734.25 h45
  text "TITLE:" at 9456.93,734.25 h45
  text "PCB DESIGNER:" at 7956.93,439.25 h45
  text "Bluetooth Sentinel" at 9720.12,433.27 h393.7
  text "D" at 1181.93,301.25 h70
  text "D" at 12481.93,301.25 h70
  text "DATE:" at 7956.93,134.25 h45
  text "PART NO.:" at 9456.93,134.25 h45
  text "REV:" at 11556.93,134.25 h45
  text "Altium Limited" at 6656.93,34.25 h70
  text ".PRINT_DATE" at 8006.93,14.25 h70
  text "IBP Shanghai, L3 - B3" at 6656.93,-65.75 h70
  text "No. 168 Linhong Road" at 6656.93,-165.75 h70
  text "FILE NAME:" at 7956.93,-165.75 h45
  text "DWG NO:" at 9456.93,-165.75 h45
  text "SCALE:" at 11556.93,-165.75 h45
  text "Shanghai 200335, China" at 6656.93,-265.75 h70
  text ".PCB_FILE_NAME_NO_PATH" at 8006.93,-285.75 h70
  text "1" at 2533.93,-500.75 h70
  text "2" at 5393.93,-500.75 h70
  text "3" at 8273.93,-500.75 h70
  text "4" at 11143.93,-500.75 h70

## Dimensions
4685.67,3345.67 to 3996.69,3345.67 on Mechanical 1
60802.17,39535.43 to 5768.35,3345.67 on Mechanical 1
4685.67,3365.67 to 3307.72,3345.67 on Mechanical 1
5079.37,3355.67 to 6457.32,3335.67 on Mechanical 1

## Text inside footprints (layer, text, board x,y; h text height)
J1: Bottom Overlay "CR2032" at 5027.52,2366.08 h50